# KiCad board Zx50 Bus Probe_RevB.kicad_pcb
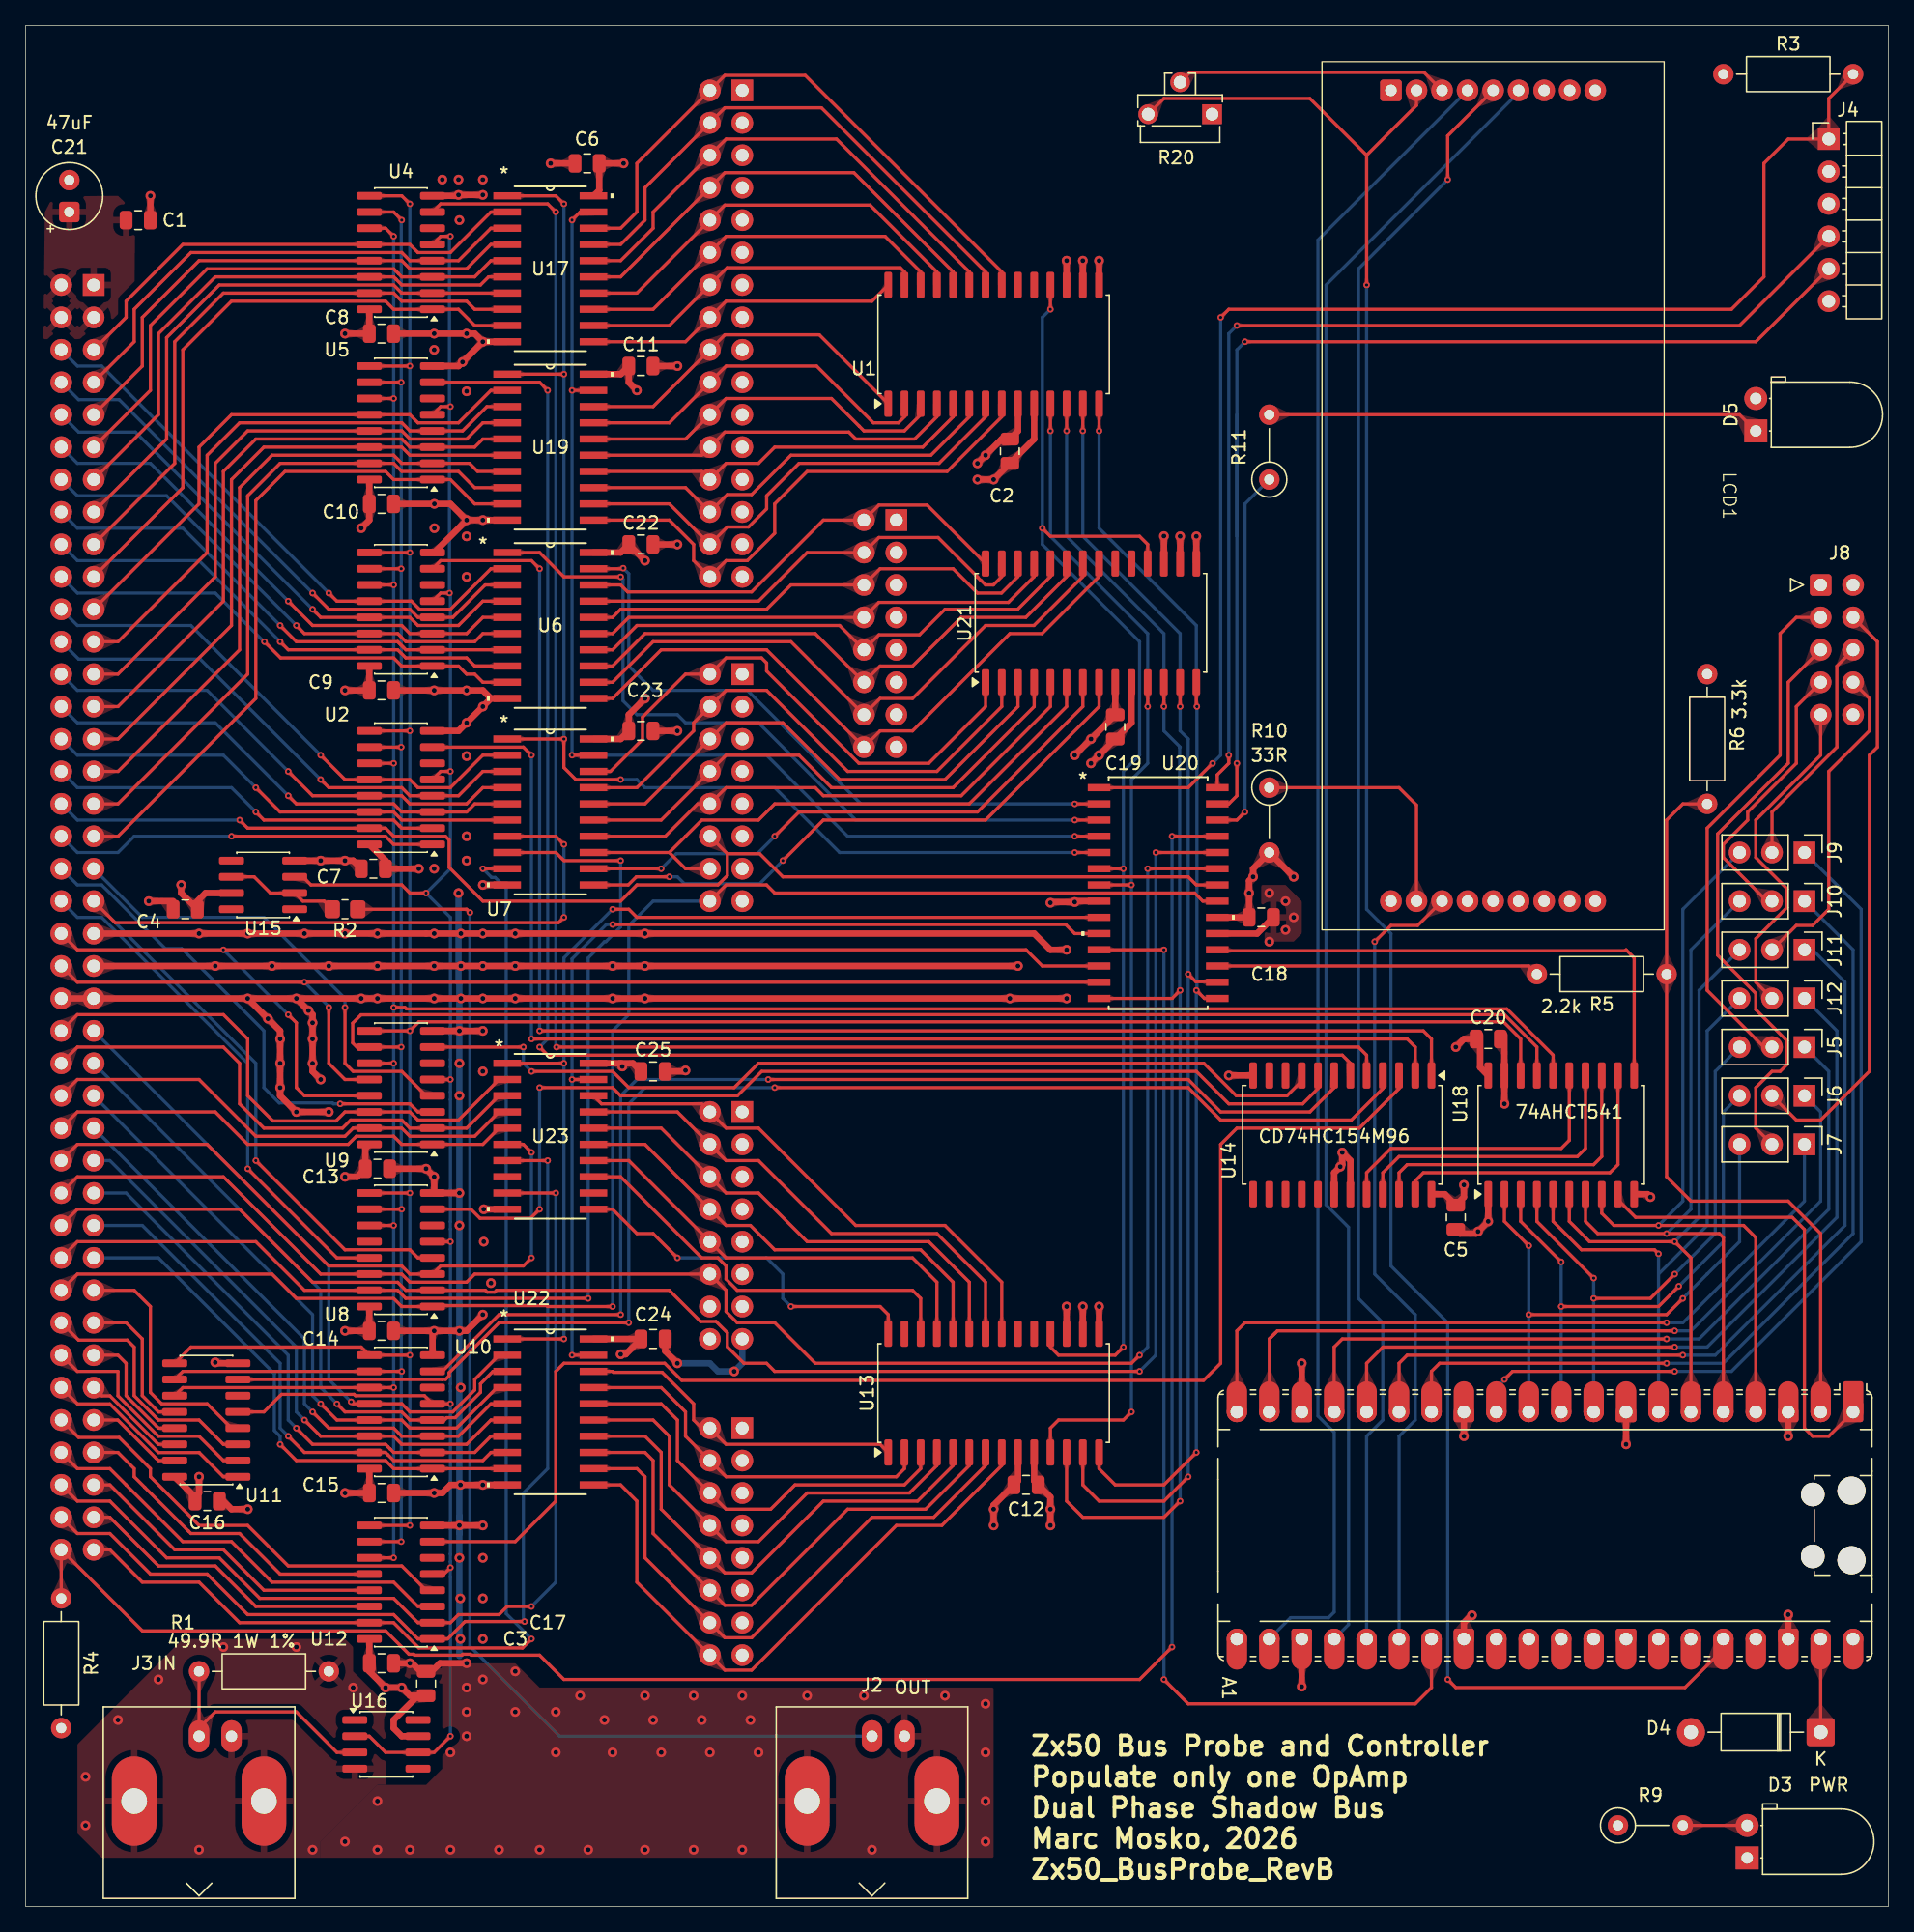
[diagram p0: board, top side]
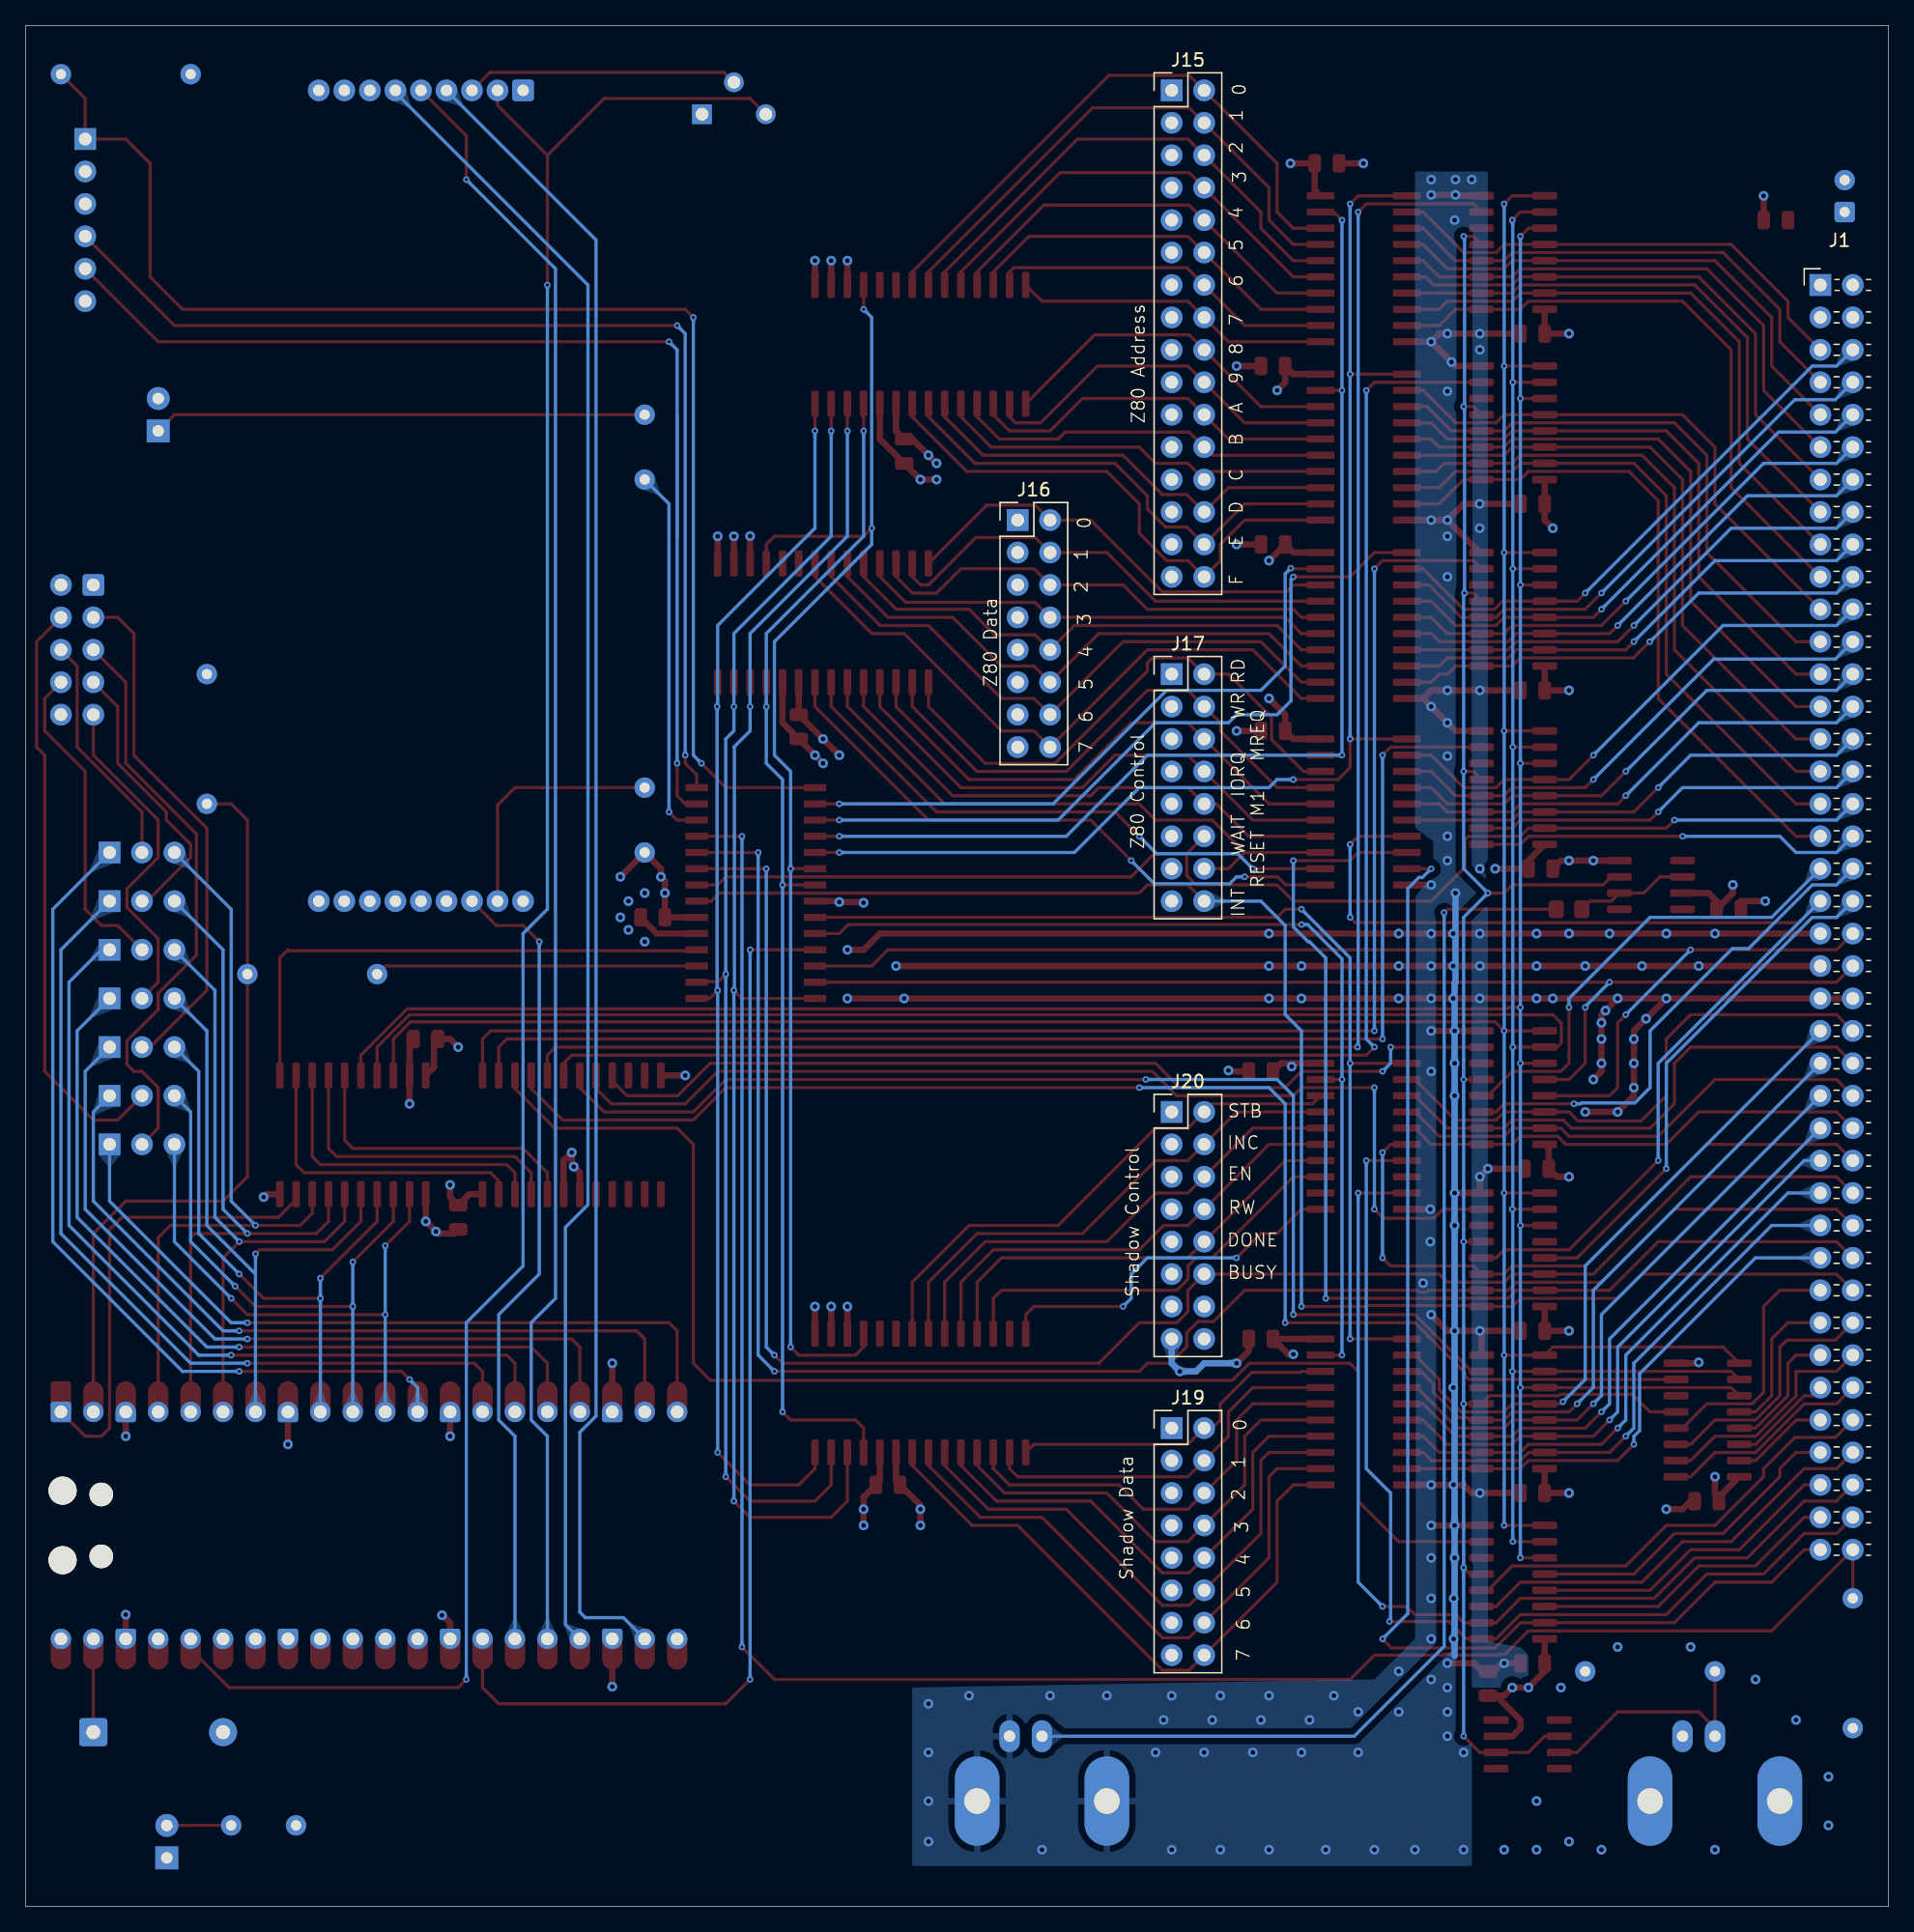
[diagram p1: board, bottom side, seen from below]

Outline 145.9 x 147.32 mm; copper layers: Top, GND (plane), +5 (plane), Bottom. Coordinates in mm from the lower left corner of the outline.
Outline path: rectangle 0,147.32 145.9,0
Stack: Top 0.035mm / dielectric 0.1mm FR4 er 4.5 / GND 0.035mm / dielectric 1.24mm FR4 er 4.5 / +5 0.035mm / dielectric 0.1mm FR4 er 4.5 / Bottom 0.035mm

## Placement (name value [footprint] x y rotation side)
A1  RaspberryPi_Pico  [RaspberryPi_Pico_Common_Unspecified]  119 29.84 270 top
C1  .1uF  [C_0805_2012Metric]  8.82 132.08 0 top
C2  .1uF  [C_0805_2012Metric]  77.09 113.98 270 top
C3  .1uF  [C_0805_2012Metric]  31.37 17.46 90 top
C4  .1uF  [C_0805_2012Metric]  12.51 78.1 180 top
C5  .1uF  [C_0805_2012Metric]  112.01 53.98 90 top
C6  .1uF  [C_0805_2012Metric]  43.98 136.53 180 top
C7  .1uF  [C_0805_2012Metric]  27.24 81.28 0 top
C8  .1uF  [C_0805_2012Metric]  27.87 123.19 180 top
C9  .1uF  [C_0805_2012Metric]  27.87 95.25 180 top
C10  .1uF  [C_0805_2012Metric]  27.87 109.85 180 top
C11  .1uF  [C_0805_2012Metric]  48.19 120.65 0 top
C12  .1uF  [C_0805_2012Metric]  78.36 33.02 0 top
C13  .1uF  [C_0805_2012Metric]  27.56 57.78 180 top
C14  .1uF  [C_0805_2012Metric]  27.87 45.08 180 top
C15  .1uF  [C_0805_2012Metric]  27.88 32.38 180 top
C16  .1uF  [C_0805_2012Metric]  14.23 31.75 180 top
C17  .1uF  [C_0805_2012Metric]  27.88 19.05 180 top
C18  .1uF  [C_0805_2012Metric]  96.77 77.47 0 top
C19  .1uF  [C_0805_2012Metric]  85.34 92.39 270 top
C20  .1uF  [C_0805_2012Metric]  114.56 67.94 0 top
C21  47uF  [CP_Radial_Tantal_D5.0mm_P2.50mm]  3.43 132.72 90 top
C22  .1uF  [C_0805_2012Metric]  48.19 106.68 0 top
C23  .1uF  [C_0805_2012Metric]  48.19 92.07 0 top
C24  .1uF  [C_0805_2012Metric]  49.15 44.45 0 top
C25  .1uF  [C_0805_2012Metric]  49.15 65.41 0 top
D3  PWR  [LED_D5.0mm_Horizontal_O1.27mm_Z3.0mm]  134.83 3.81 90 top
D4  1N4001  [D_DO-41_SOD81_P10.16mm_Horizontal]  140.59 13.65 180 top
D5  PIC  [LED_D5.0mm_Horizontal_O1.27mm_Z3.0mm]  135.51 115.57 90 top
J1  Zx50_EdgeConnector  [PinHeader_2x40_P2.54mm_Horizontal_Edge]  5.33 127 180 bottom
J2  OUT  [BNC_Amphenol_B6252HB-NPP3G-50_Horizontal]  66.29 13.34 180 top
J3  IN  [BNC_Amphenol_B6252HB-NPP3G-50_Horizontal]  13.59 13.34 180 top
J4  PIC PGM  [PinHeader_1x06_P2.54mm_Horizontal_EDGE]  141.22 138.43 0 top
J5  P0  [PinHeader_1x03_P2.54mm_Vertical]  139.32 67.31 270 top
J6  P1  [PinHeader_1x03_P2.54mm_Vertical]  139.32 63.5 270 top
J7  P2  [PinHeader_1x03_P2.54mm_Vertical]  139.32 59.69 270 top
J8  Send/Recv Card  [IDC-Header_2x05_P2.54mm_Horizontal_Edge]  140.59 103.5 0 top
J9  CH0  [PinHeader_1x03_P2.54mm_Vertical]  139.32 82.55 270 top
J10  CH1  [PinHeader_1x03_P2.54mm_Vertical]  139.32 78.74 270 top
J11  CH2  [PinHeader_1x03_P2.54mm_Vertical]  139.32 74.93 270 top
J12  CH3  [PinHeader_1x03_P2.54mm_Vertical]  139.32 71.12 270 top
J15  Z80_Addr  [PinHeader_2x16_P2.54mm_Vertical_Row_Letter_Last]  56.13 142.24 180 bottom
J16  Z80_Data  [PinHeader_2x08_P2.54mm_Vertical_Row_Letter_Last]  68.2 108.58 180 bottom
J17  Z80_Ctrl  [PinHeader_2x08_P2.54mm_Vertical_Row_Letter_Last]  56.13 96.52 180 bottom
J19  SH_Data  [PinHeader_2x08_P2.54mm_Vertical_Row_Letter_Last]  56.13 37.46 180 bottom
J20  SH_Ctrl  [PinHeader_2x08_P2.54mm_Vertical_Row_Letter_Last]  56.13 62.23 180 bottom
LCD1  EA 205G-4NLED  [EA_DIG205G-4NLED]  114.93 110.49 270 top
R1  49.9R 1W 1%  [R_Axial_DIN0207_L6.3mm_D2.5mm_P10.16mm_Horizontal]  23.75 18.41 180 top
R2  49.9R 1W 1%  [R_0805_2012Metric_Pad1.20x1.40mm_HandSolder]  25.02 78.1 180 top
R3  10k  [R_Axial_DIN0207_L6.3mm_D2.5mm_P10.16mm_Horizontal]  132.97 143.51 0 top
R4  10K  [R_Axial_DIN0207_L6.3mm_D2.5mm_P10.16mm_Horizontal]  2.79 24.13 270 top
R5  2.2k  [R_Axial_DIN0207_L6.3mm_D2.5mm_P10.16mm_Horizontal]  128.52 73.02 180 top
R6  3.3k  [R_Axial_DIN0207_L6.3mm_D2.5mm_P10.16mm_Horizontal]  131.7 96.52 270 top
R9  470  [R_Axial_DIN0207_L6.3mm_D2.5mm_P5.08mm_Vertical]  124.71 6.35 0 top
R10  33R  [R_Axial_DIN0207_L6.3mm_D2.5mm_P5.08mm_Vertical]  97.41 87.63 270 top
R11  470  [R_Axial_DIN0207_L6.3mm_D2.5mm_P5.08mm_Vertical]  97.41 111.76 90 top
R20  3.3K  [Potentiometer_Runtron_RM-063_Horizontal]  92.92 140.38 180 top
U1  MCP23S17_SO  [SOIC-28W_7.5x17.9mm_P1.27mm]  75.82 122.35 90 top
U2  74CBT3251  [SOIC-16_3.9x9.9mm_P1.27mm]  29.4 87.63 180 top
U3  74CBT3251  [SOIC-16_3.9x9.9mm_P1.27mm]  29.4 101.6 180 top
U4  74CBT3251  [SOIC-16_3.9x9.9mm_P1.27mm]  29.4 129.54 180 top
U5  74CBT3251  [SOIC-16_3.9x9.9mm_P1.27mm]  29.4 116.2 180 top
U6  SN74ABT245BN  [NS20]  41.1 100.33 0 top
U7  SN74ABT245BN  [NS20]  41.1 85.72 0 top
U8  74CBT3251  [SOIC-16_3.9x9.9mm_P1.27mm]  29.4 51.43 180 top
U9  74CBT3251  [SOIC-16_3.9x9.9mm_P1.27mm]  29.4 64.13 180 top
U10  74CBT3251  [SOIC-16_3.9x9.9mm_P1.27mm]  29.4 38.73 180 top
U11  74CBT3251  [SOIC-16_3.9x9.9mm_P1.27mm]  14.16 38.1 180 top
U12  74CBT3251  [SOIC-16_3.9x9.9mm_P1.27mm]  29.4 25.4 180 top
U13  MCP23S17_SO  [SOIC-28W_7.5x17.9mm_P1.27mm]  75.82 40.21 90 top
U14  CD74HC154M96  [SOIC-24W_7.5x15.4mm_P1.27mm]  103.12 60.44 270 top
U15  OPA356xxD  [SOIC-8_3.9x4.9mm_P1.27mm]  18.6 80.01 180 top
U16  OPA356xxD  [SOIC-8_3.9x4.9mm_P1.27mm]  28.26 12.7 0 top
U17  SN74ABT245BN  [NS20]  41.1 128.27 0 top
U18  74AHCT541  [SOIC-20W_7.5x12.8mm_P1.27mm]  120.27 60.44 90 top
U19  SN74ABT245BN  [NS20]  41.1 114.3 0 top
U20  PIC18F27Q43-I/SO  [SOIC28_SO_MCH]  88.7 79.38 0 top
U21  MCP23S17_SO  [SOIC-28W_7.5x17.9mm_P1.27mm]  83.44 100.53 90 top
U22  SN74ABT245BN  [NS20]  41.1 38.73 0 top
U23  SN74ABT245BN  [NS20]  41.1 60.32 0 top

## Library data of the parts
A1 = -: Datasheet: https://datasheets.raspberrypi.com/pico/pico-datasheet.pdf; Description: Versatile and inexpensive microcontroller module powered by RP2040 dual-core Arm Cortex-M0+ processor up to 133 MHz, 264kB SRAM, 2MB QSPI flash; also supports Raspberry Pi Pico 2; Digi-Key_PN: SC1634; ki_fp_filters: RaspberryPi?Pico?Common* RaspberryPi?Pico?SMD*
C1-C20 C22-C25 = -: Description: Unpolarized capacitor, small symbol; ki_fp_filters: C_*
C21 = -: Description: Polarized capacitor, small US symbol; ki_fp_filters: CP_*
D3 D5 = -: Description: Light emitting diode; Sim.Pins: 1=K 2=A; Digi-Key_PN: 732-5016-ND; ki_fp_filters: LED* LED_SMD:* LED_THT:*
D4 = -: Datasheet: http://www.vishay.com/docs/88503/1n4001.pdf; Description: 50V 1A General Purpose Rectifier Diode, DO-41; Sim.Device: D; Sim.Pins: 1=K 2=A; ki_fp_filters: D*DO?41*
J1 = -: Description: Generic connector, double row, 02x40, odd/even pin numbering scheme (row 1 odd numbers, row 2 even numbers), script generated (kicad-library-utils/schlib/autogen/connector/); Digi-Key_PN: 2057-PH2RA-80-UA-ND; ki_fp_filters: Connector*:*_2x??_*
J2 J3 = -: Description: coaxial connector (BNC, SMA, SMB, SMC, Cinch/RCA, LEMO, ...); Digi-Key_PN: ARF1060-ND; ki_fp_filters: *BNC* *SMA* *SMB* *SMC* *Cinch* *LEMO* *UMRF* *MCX* *U.FL*
J4 = -: Description: Generic connector, single row, 01x06, script generated; Digi-Key_PN: 732-5339-ND; ki_fp_filters: Connector*:*_1x??_*
J5-J7 J9-J12 = -: Description: Generic connector, single row, 01x03, script generated (kicad-library-utils/schlib/autogen/connector/); Digi-Key_PN: 732-5316-ND; ki_fp_filters: Connector*:*_1x??_*
J8 = -: Description: Generic connector, double row, 02x05, odd/even pin numbering scheme (row 1 odd numbers, row 2 even numbers), script generated (kicad-library-utils/schlib/autogen/connector/); Digi-Key_PN: 732-2098-ND; ki_fp_filters: Connector*:*_2x??_*
J15 = -: Description: Generic connector, double row, 02x16, row letter last pin numbering scheme (pin number consists of a letter for the row and a number for the pin index in this row. 1a, ..., Na; 1b, ..., Nb)), script generated (kicad-library-utils/schlib/autogen/connector/); Digi-Key_PN: 732-5307-ND; ki_fp_filters: Connector*:*_2x??_*
J16 J17 J19 J20 = -: Description: Generic connector, double row, 02x08, row letter last pin numbering scheme (pin number consists of a letter for the row and a number for the pin index in this row. 1a, ..., Na; 1b, ..., Nb)), script generated (kicad-library-utils/schlib/autogen/connector/); Digi-Key_PN: 732-5299-ND; ki_fp_filters: Connector*:*_2x??_*
LCD1 = -: Datasheet: https://mm.digikey.com/Volume0/opasdata/d220001/medias/docus/6592/dip2054epreliminary.pdf; Description: Character Display Module 5 x 8 Dots w/Cursor LCD; Digi-Key_PN: 1481-EADIP205G-4NLED-ND
R1 R2 = -: Description: Resistor; Digi-Key_PN: 541-CPF149R900FKRE6CT-ND; ki_fp_filters: R_*
R3 R5 R6 R10 = -: Description: Resistor, small symbol; ki_fp_filters: R_*
R4 R9 R11 = -: Description: Resistor; ki_fp_filters: R_*
R20 = -: Description: Trim-potentiometer; ki_fp_filters: Potentiometer*
U1 U13 U21 = -: Datasheet: http://ww1.microchip.com/downloads/en/DeviceDoc/20001952C.pdf; Description: 16-bit I/O expander, SPI, interrupts, w pull-ups, SOIC-28; ki_fp_filters: SOIC*7.5x17.9mm*P1.27mm*
U2-U5 U8-U12 = -: Datasheet: https://www.ti.com/lit/gpn/sn74cbt3251; ki_fp_filters: D16 D16-M D16-L
U6 U7 U17 U19 = -: Datasheet: https://www.ti.com/lit/gpn/sn74abt245b; Digi-Key_PN: 296-15879-1-ND; ki_fp_filters: N20
U14 = -: Datasheet: http://www.ti.com/lit/gpn/sn74HC154; Description: Decoder 4 to 16; Digi-Key_PN: 296-24352-1-ND; ki_fp_filters: DIP?24*
U15 U16 = -: Datasheet: http://www.ti.com/lit/ds/symlink/opa356.pdf; Description: Single High Speed CMOS Operational Amplifier, SOIC-8; Digi-Key_PN: 296-12407-5-ND; ki_fp_filters: SOIC*3.9x4.9mm*P1.27mm*
U18 = -: Datasheet: https://www.ti.com/lit/ds/symlink/sn74ahct541.pdf; Description: 8-bit Buffer/Line Driver 3-state outputs; Digi-Key_PN: 296-4754-1-ND; ki_fp_filters: DIP?20* SOIC*7.5x12.8mm*P1.27mm* TSSOP*4.4x6.5mm*P0.65mm* SSOP*4.4x6.5mm*P0.65mm*
U20 = -: DigiKey_PN: 150-PIC18F27Q43-I/SO-ND; ki_fp_filters: SOIC28_SO_MCH SOIC28_SO_MCH-M SOIC28_SO_MCH-L
U22 U23 = -: Datasheet: https://www.ti.com/lit/gpn/sn74abt245b; Digi-Key_PN: 296-3970-5-ND; ki_fp_filters: N20

## Footprints (pads in the part's own frame, mm; a bottom-side part is the same pattern mirrored in y, then rotated)
BNC_Amphenol_B6252HB-NPP3G-50_Horizontal
  oval 1.6x2.5 hole 0.89: 1(0,0) 2(-2.54,0)
  oval 3.5x7 hole 2.01: 2(-5.08,5.08) 2(5.08,5.08)
C_0805_2012Metric
  rrect 1x1.45 smd: 1(-0.95,0) 2(0.95,0)
CP_Radial_Tantal_D5.0mm_P2.50mm
  rrect 1.6x1.6 hole 0.8: 1(0,0)
  round 1.6 hole 0.8: 2(2.5,0)
D_DO-41_SOD81_P10.16mm_Horizontal
  rrect 2.2x2.2 hole 1.1: 1(0,0)
  round 2.2 hole 1.1: 2(10.16,0)
EA_DIG205G-4NLED
  rrect 1.7x1.7 hole 0.9: 1(-31.75,-8)
  round 1.7 hole 0.9: 2(-31.75,-6) 3(-31.75,-4) 4(-31.75,-2) 5(-31.75,0) 6(-31.75,2) 7(-31.75,4) 8(-31.75,6) 9(-31.75,8) 10(31.75,8) 11(31.75,6) 12(31.75,4) 13(31.75,2) 14(31.75,0) 15(31.75,-2) 16(31.75,-4) 17(31.75,-6) 18(31.75,-8)
IDC-Header_2x05_P2.54mm_Horizontal_Edge
  rrect 1.7x1.7 hole 1: 1(0,0)
  round 1.7 hole 1: 2(2.54,0) 3(0,-2.54) 4(2.54,-2.54) 5(0,-5.08) 6(2.54,-5.08) 7(0,-7.62) 8(2.54,-7.62) 9(0,-10.16) 10(2.54,-10.16)
LED_D5.0mm_Horizontal_O1.27mm_Z3.0mm
  rect 1.8x1.8 hole 0.9: 1(0,0)
  round 1.8 hole 0.9: 2(2.54,0)
NS20
  rect 2.159x0.559 smd: 1(-3.378,5.715) 2(-3.378,4.445) 3(-3.378,3.175) 4(-3.378,1.905) 5(-3.378,0.635) 6(-3.378,-0.635) 7(-3.378,-1.905) 8(-3.378,-3.175) 9(-3.378,-4.445) 10(-3.378,-5.715) 11(3.378,-5.715) 12(3.378,-4.445) 13(3.378,-3.175) 14(3.378,-1.905) 15(3.378,-0.635) 16(3.378,0.635) 17(3.378,1.905) 18(3.378,3.175) 19(3.378,4.445) 20(3.378,5.715)
PinHeader_1x03_P2.54mm_Vertical
  rect 1.7x1.7 hole 1: 1(0,0)
  round 1.7 hole 1: 2(0,-2.54) 3(0,-5.08)
PinHeader_1x06_P2.54mm_Horizontal_EDGE
  rect 1.7x1.7 hole 1: 1(0,0)
  round 1.7 hole 1: 2(0,-2.54) 3(0,-5.08) 4(0,-7.62) 5(0,-10.16) 6(0,-12.7)
PinHeader_2x08_P2.54mm_Vertical_Row_Letter_Last
  rect 1.7x1.7 hole 1: 1a(0,0)
  round 1.7 hole 1: 1b(2.54,0) 2a(0,-2.54) 2b(2.54,-2.54) 3a(0,-5.08) 3b(2.54,-5.08) 4a(0,-7.62) 4b(2.54,-7.62) 5a(0,-10.16) 5b(2.54,-10.16) 6a(0,-12.7) 6b(2.54,-12.7) 7a(0,-15.24) 7b(2.54,-15.24) 8a(0,-17.78) 8b(2.54,-17.78)
PinHeader_2x16_P2.54mm_Vertical_Row_Letter_Last
  rect 1.7x1.7 hole 1: 1a(0,0)
  round 1.7 hole 1: 1b(2.54,0) 2a(0,-2.54) 2b(2.54,-2.54) 3a(0,-5.08) 3b(2.54,-5.08) 4a(0,-7.62) 4b(2.54,-7.62) 5a(0,-10.16) 5b(2.54,-10.16) 6a(0,-12.7) 6b(2.54,-12.7) 7a(0,-15.24) 7b(2.54,-15.24) 8a(0,-17.78) 8b(2.54,-17.78) 9a(0,-20.32) 9b(2.54,-20.32) 10a(0,-22.86) 10b(2.54,-22.86) 11a(0,-25.4) 11b(2.54,-25.4) 12a(0,-27.94) 12b(2.54,-27.94) 13a(0,-30.48) 13b(2.54,-30.48) 14a(0,-33.02) 14b(2.54,-33.02) 15a(0,-35.56) 15b(2.54,-35.56) 16a(0,-38.1) 16b(2.54,-38.1)
PinHeader_2x40_P2.54mm_Horizontal_Edge
  rect 1.7x1.7 hole 1: 1(0,0)
  round 1.7 hole 1: 2(2.54,0) 3(0,-2.54) 4(2.54,-2.54) 5(0,-5.08) 6(2.54,-5.08) 7(0,-7.62) 8(2.54,-7.62) 9(0,-10.16) 10(2.54,-10.16) 11(0,-12.7) 12(2.54,-12.7) 13(0,-15.24) 14(2.54,-15.24) 15(0,-17.78) 16(2.54,-17.78) 17(0,-20.32) 18(2.54,-20.32) 19(0,-22.86) 20(2.54,-22.86) 21(0,-25.4) 22(2.54,-25.4) 23(0,-27.94) 24(2.54,-27.94) 25(0,-30.48) 26(2.54,-30.48) 27(0,-33.02) 28(2.54,-33.02) 29(0,-35.56) 30(2.54,-35.56) 31(0,-38.1) 32(2.54,-38.1) 33(0,-40.64) 34(2.54,-40.64) 35(0,-43.18) 36(2.54,-43.18) 37(0,-45.72) 38(2.54,-45.72) 39(0,-48.26) 40(2.54,-48.26) 41(0,-50.8) 42(2.54,-50.8) 43(0,-53.34) 44(2.54,-53.34) 45(0,-55.88) 46(2.54,-55.88) 47(0,-58.42) 48(2.54,-58.42) 49(0,-60.96) 50(2.54,-60.96) 51(0,-63.5) 52(2.54,-63.5) 53(0,-66.04) 54(2.54,-66.04) 55(0,-68.58) 56(2.54,-68.58) 57(0,-71.12) 58(2.54,-71.12) 59(0,-73.66) 60(2.54,-73.66) 61(0,-76.2) 62(2.54,-76.2) 63(0,-78.74) 64(2.54,-78.74) 65(0,-81.28) 66(2.54,-81.28) 67(0,-83.82) 68(2.54,-83.82) 69(0,-86.36) 70(2.54,-86.36) 71(0,-88.9) 72(2.54,-88.9) 73(0,-91.44) 74(2.54,-91.44) 75(0,-93.98) 76(2.54,-93.98) 77(0,-96.52) 78(2.54,-96.52) 79(0,-99.06) 80(2.54,-99.06)
Potentiometer_Runtron_RM-063_Horizontal
  rect 1.55x1.55 hole 1: 1(0,0)
  round 1.55 hole 1: 2(2.5,-2.5) 3(5,0)
R_0805_2012Metric_Pad1.20x1.40mm_HandSolder
  rrect 1.2x1.4 smd: 1(-1,0) 2(1,0)
R_Axial_DIN0207_L6.3mm_D2.5mm_P5.08mm_Vertical
  round 1.6 hole 0.8: 1(0,0) 2(5.08,0)
R_Axial_DIN0207_L6.3mm_D2.5mm_P10.16mm_Horizontal
  round 1.6 hole 0.8: 1(0,0) 2(10.16,0)
RaspberryPi_Pico_Common_Unspecified
  round 2.2 hole 2.2 unplated: (-2.725,24) (2.725,24)
  round 1.85 hole 1.85 unplated: (-2.425,20.97) (2.425,20.97)
  custom 3.2x1.6 smd: 1(-9.69,24.13) 3(-9.69,19.05) 8(-9.69,6.35) 13(-9.69,-6.35) 18(-9.69,-19.05) 23(9.69,-19.05) 28(9.69,-6.35) 33(9.69,6.35) 38(9.69,19.05)
  rrect 1.6x1.6 hole 1: 1(-8.89,24.13)
  rrect 3.2x1.6 smd: 2(-9.69,21.59) 4(-9.69,16.51) 5(-9.69,13.97) 6(-9.69,11.43) 7(-9.69,8.89) 9(-9.69,3.81) 10(-9.69,1.27) 11(-9.69,-1.27) 12(-9.69,-3.81) 14(-9.69,-8.89) 15(-9.69,-11.43) 16(-9.69,-13.97) 17(-9.69,-16.51) 19(-9.69,-21.59) 20(-9.69,-24.13) 21(9.69,-24.13) 22(9.69,-21.59) 24(9.69,-16.51) 25(9.69,-13.97) 26(9.69,-11.43) 27(9.69,-8.89) 29(9.69,-3.81) 30(9.69,-1.27) 31(9.69,1.27) 32(9.69,3.81) 34(9.69,8.89) 35(9.69,11.43) 36(9.69,13.97) 37(9.69,16.51) 39(9.69,21.59) 40(9.69,24.13)
  round 1.6 hole 1: 2(-8.89,21.59) 4(-8.89,16.51) 5(-8.89,13.97) 6(-8.89,11.43) 7(-8.89,8.89) 9(-8.89,3.81) 10(-8.89,1.27) 11(-8.89,-1.27) 12(-8.89,-3.81) 14(-8.89,-8.89) 15(-8.89,-11.43) 16(-8.89,-13.97) 17(-8.89,-16.51) 19(-8.89,-21.59) 20(-8.89,-24.13) 21(8.89,-24.13) 22(8.89,-21.59) 24(8.89,-16.51) 25(8.89,-13.97) 26(8.89,-11.43) 27(8.89,-8.89) 29(8.89,-3.81) 30(8.89,-1.27) 31(8.89,1.27) 32(8.89,3.81) 34(8.89,8.89) 35(8.89,11.43) 36(8.89,13.97) 37(8.89,16.51) 39(8.89,21.59) 40(8.89,24.13)
  custom 1.6x1.6 hole 1: 3(-8.89,19.05) 8(-8.89,6.35) 13(-8.89,-6.35) 18(-8.89,-19.05) 23(8.89,-19.05) 28(8.89,-6.35) 33(8.89,6.35) 38(8.89,19.05)
SOIC28_SO_MCH
  rect 1.765x0.559 smd: 1(-4.629,8.255) 2(-4.629,6.985) 3(-4.629,5.715) 4(-4.629,4.445) 5(-4.629,3.175) 6(-4.629,1.905) 7(-4.629,0.635) 8(-4.629,-0.635) 9(-4.629,-1.905) 10(-4.629,-3.175) 11(-4.629,-4.445) 12(-4.629,-5.715) 13(-4.629,-6.985) 14(-4.629,-8.255) 15(4.629,-8.255) 16(4.629,-6.985) 17(4.629,-5.715) 18(4.629,-4.445) 19(4.629,-3.175) 20(4.629,-1.905) 21(4.629,-0.635) 22(4.629,0.635) 23(4.629,1.905) 24(4.629,3.175) 25(4.629,4.445) 26(4.629,5.715) 27(4.629,6.985) 28(4.629,8.255)
SOIC-8_3.9x4.9mm_P1.27mm
  rrect 1.95x0.6 smd: 1(-2.475,1.905) 2(-2.475,0.635) 3(-2.475,-0.635) 4(-2.475,-1.905) 5(2.475,-1.905) 6(2.475,-0.635) 7(2.475,0.635) 8(2.475,1.905)
SOIC-16_3.9x9.9mm_P1.27mm
  rrect 1.95x0.6 smd: 1(-2.475,4.445) 2(-2.475,3.175) 3(-2.475,1.905) 4(-2.475,0.635) 5(-2.475,-0.635) 6(-2.475,-1.905) 7(-2.475,-3.175) 8(-2.475,-4.445) 9(2.475,-4.445) 10(2.475,-3.175) 11(2.475,-1.905) 12(2.475,-0.635) 13(2.475,0.635) 14(2.475,1.905) 15(2.475,3.175) 16(2.475,4.445)
SOIC-20W_7.5x12.8mm_P1.27mm
  rrect 2.05x0.6 smd: 1(-4.65,5.715) 2(-4.65,4.445) 3(-4.65,3.175) 4(-4.65,1.905) 5(-4.65,0.635) 6(-4.65,-0.635) 7(-4.65,-1.905) 8(-4.65,-3.175) 9(-4.65,-4.445) 10(-4.65,-5.715) 11(4.65,-5.715) 12(4.65,-4.445) 13(4.65,-3.175) 14(4.65,-1.905) 15(4.65,-0.635) 16(4.65,0.635) 17(4.65,1.905) 18(4.65,3.175) 19(4.65,4.445) 20(4.65,5.715)
SOIC-24W_7.5x15.4mm_P1.27mm
  rrect 2.05x0.6 smd: 1(-4.65,6.985) 2(-4.65,5.715) 3(-4.65,4.445) 4(-4.65,3.175) 5(-4.65,1.905) 6(-4.65,0.635) 7(-4.65,-0.635) 8(-4.65,-1.905) 9(-4.65,-3.175) 10(-4.65,-4.445) 11(-4.65,-5.715) 12(-4.65,-6.985) 13(4.65,-6.985) 14(4.65,-5.715) 15(4.65,-4.445) 16(4.65,-3.175) 17(4.65,-1.905) 18(4.65,-0.635) 19(4.65,0.635) 20(4.65,1.905) 21(4.65,3.175) 22(4.65,4.445) 23(4.65,5.715) 24(4.65,6.985)
SOIC-28W_7.5x17.9mm_P1.27mm
  rrect 2.05x0.6 smd: 1(-4.65,8.255) 2(-4.65,6.985) 3(-4.65,5.715) 4(-4.65,4.445) 5(-4.65,3.175) 6(-4.65,1.905) 7(-4.65,0.635) 8(-4.65,-0.635) 9(-4.65,-1.905) 10(-4.65,-3.175) 11(-4.65,-4.445) 12(-4.65,-5.715) 13(-4.65,-6.985) 14(-4.65,-8.255) 15(4.65,-8.255) 16(4.65,-6.985) 17(4.65,-5.715) 18(4.65,-4.445) 19(4.65,-3.175) 20(4.65,-1.905) 21(4.65,-0.635) 22(4.65,0.635) 23(4.65,1.905) 24(4.65,3.175) 25(4.65,4.445) 26(4.65,5.715) 27(4.65,6.985) 28(4.65,8.255)
